# Altium PCB power_board.PcbDoc (part 1 of 2) (continued)
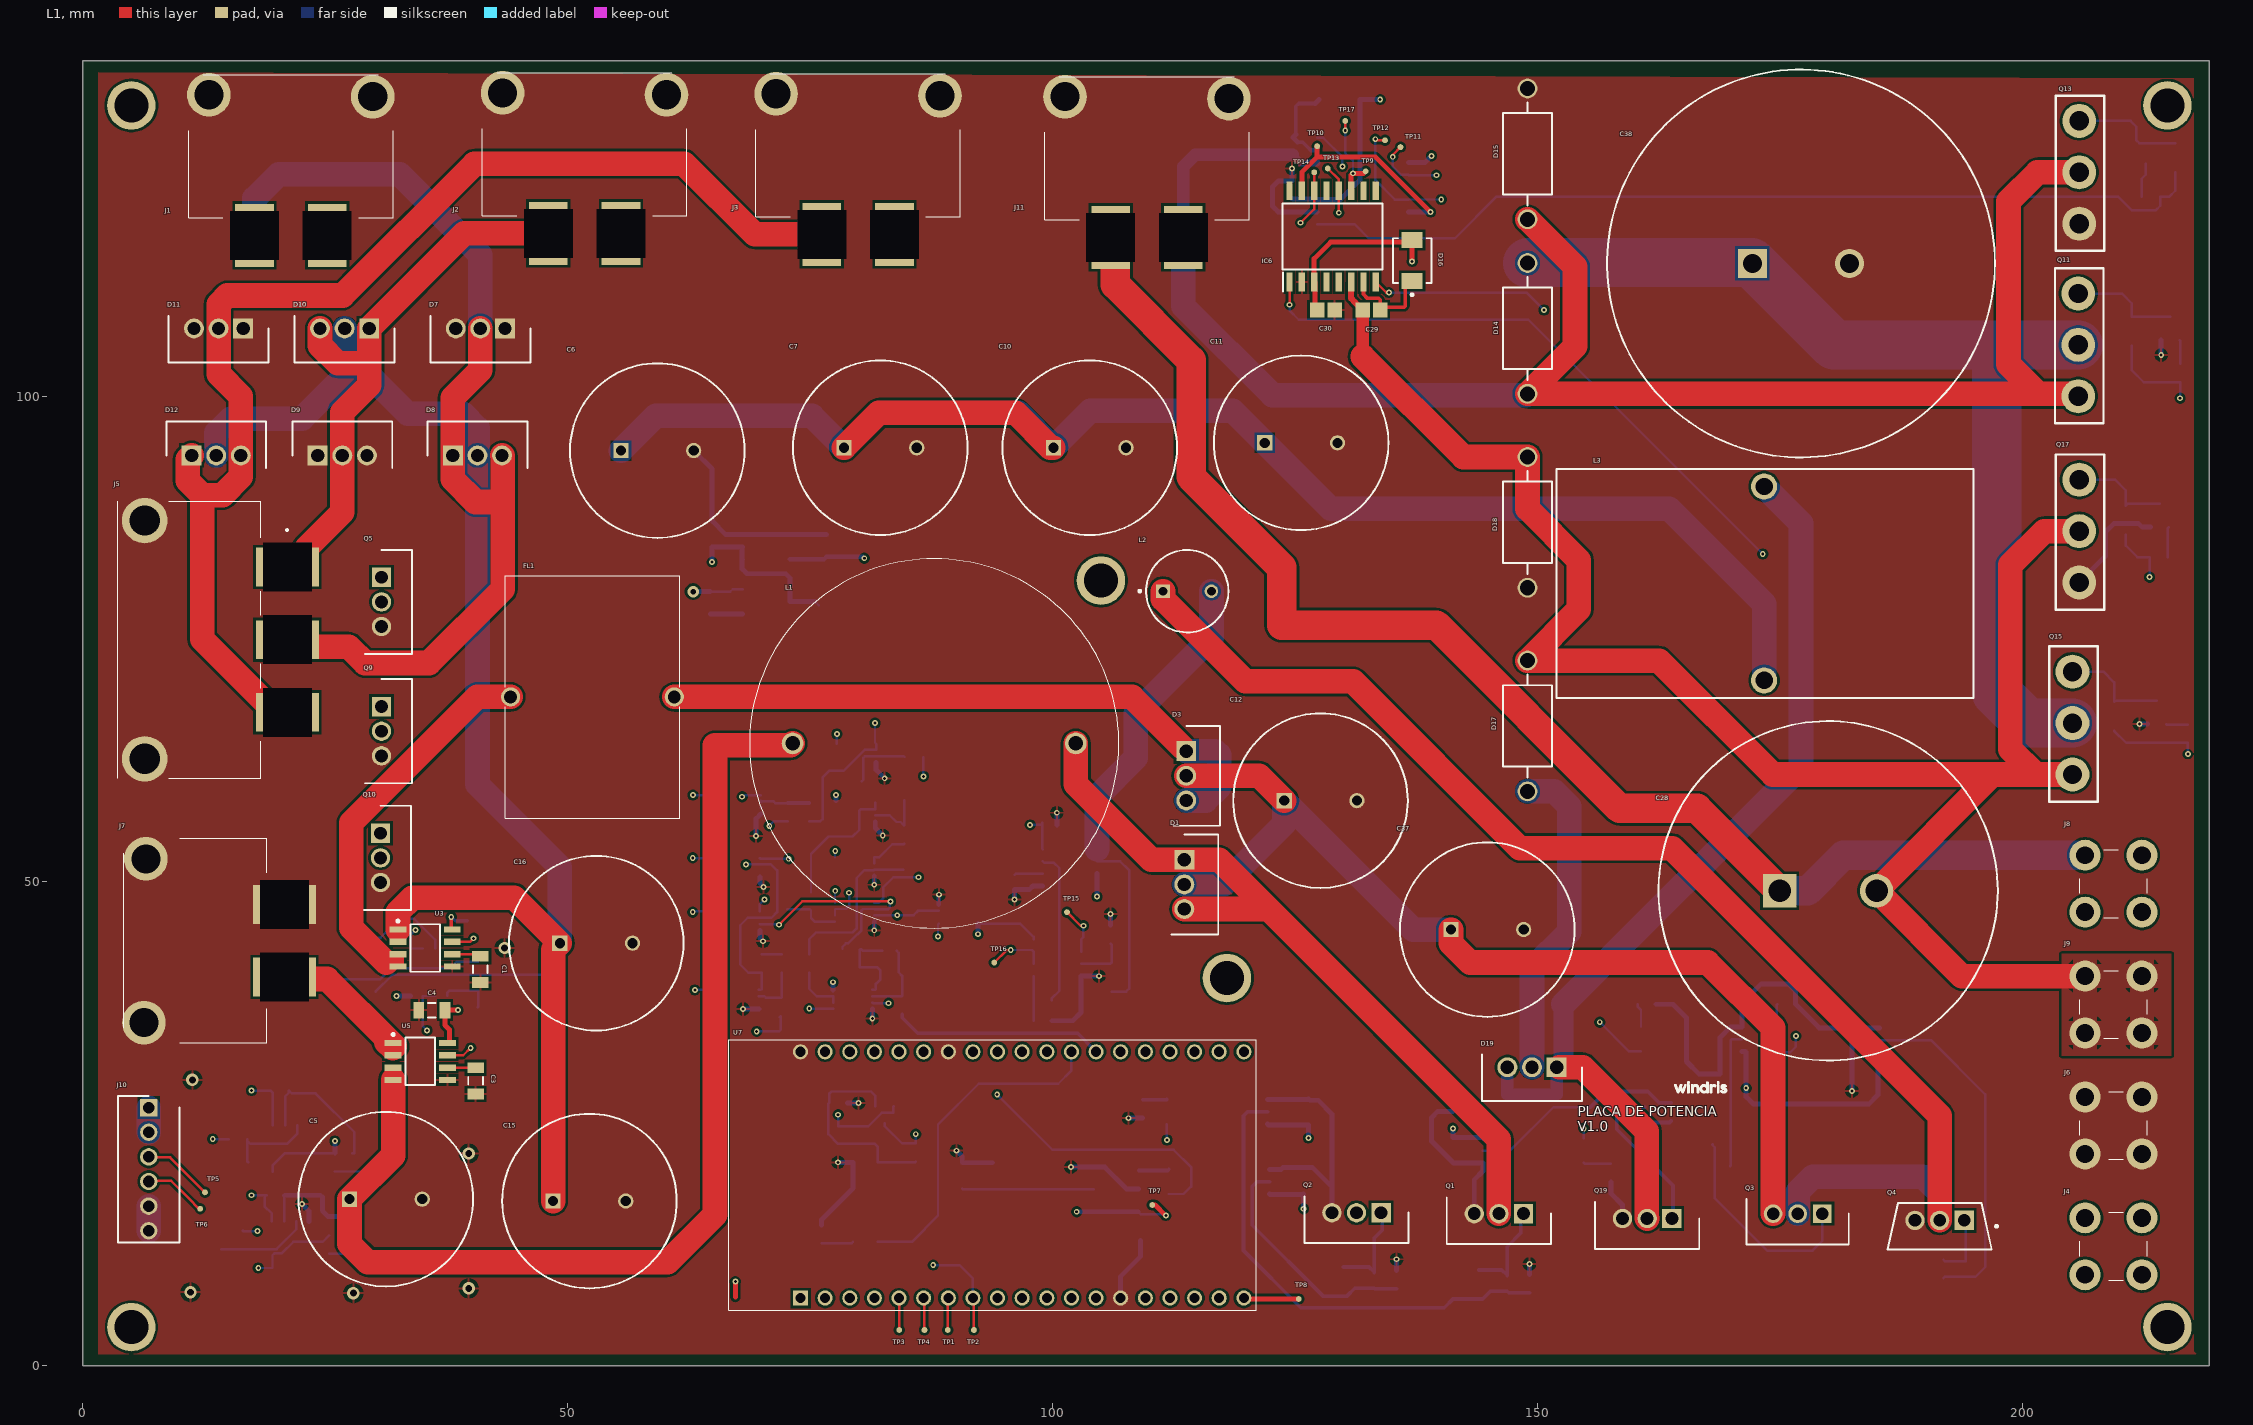
[diagram p0: L1 view]
## Part data (continued)
C24: library part CMP-1036-04761-2, Capacitance=7.5nF, Case Code (Imperial)=0805, Case Code (Metric)=2012, Dielectric=C0G, Manufacturer=Murata, Manufacturer Part Number=C0805C752FAGAC7210, Max Operating Temperature=125°C, Min Operating Temperature=-55°C, Package Quantity=10000, Part Number=GRM21BR71H105KA12L, Supplier Part Number 1=80-C0805C752FAG7210, Tolerance=1%, Voltage Rating (DC)=250V, Case/Package=0805, Category="Ceramic Capacitors", ComponentLink1Description=http://www.mouser.com/ds/2/212/KEM_C1003_C0G_SMD-356956.pdf?src-supplier=Mouser, ComponentLink1URL=http://www.mouser.com/ds/2/212/KEM_C1003_C0G_SMD-356956.pdf?src-supplier=Mouser, Length=2mm, Packaging="Tape and Reel", RoHS=Yes, RoHS Compliant=Yes, Supplier 1=Mouser, Termination=SMD/SMT, Weight=0.000194oz, Width=1.2mm
C25 C26 C29 C30: library part CMP-2007-03241-1, Capacitance=1uF, Case Code (Imperial)=0805, Case Code (Metric)=2012, Dielectric=Y5V, Dielectric Material=Ceramic, Manufacturer=Kemet, Manufacturer Part Number=C0805C105Z4VACTU, Max Operating Temperature=85°C, Min Operating Temperature=-30°C, Package Quantity=1, Supplier Part Number 1=399-8011-1-ND, Tolerance=80%, Voltage=16V, Case/Package=0805, Category="Ceramic Capacitors", ComponentLink1Description=https://datasheet.ciiva.com/6074/1698780-6074369.pdf?src-supplier=Farnell, ComponentLink1URL=https://datasheet.ciiva.com/6074/1698780-6074369.pdf?src-supplier=Farnell, ComponentLink2Description=https://datasheet.ciiva.com/16623/datasheetpn-c0805c105z4vac7800-16623623.pdf?src-supplier=Avnet+Europe, ComponentLink2URL=https://datasheet.ciiva.com/16623/datasheetpn-c0805c105z4vac7800-16623623.pdf?src-supplier=Avnet+Europe, ComponentLink3Description=https://datasheet.ciiva.com/14589/70095383-14589407.pdf?src-supplier=Allied+Electronics, ComponentLink3URL=https://datasheet.ciiva.com/14589/70095383-14589407.pdf?src-supplier=Allied+Electronics, ComponentLink4Description=https://datasheet.ciiva.com/7600/1698780-7600029.pdf?src-supplier=Newark, ComponentLink4URL=https://datasheet.ciiva.com/7600/1698780-7600029.pdf?src-supplier=Newark, ComponentLink5Description=https://datasheet.ciiva.com/14604/70095383-14604106.pdf?src-supplier=Allied+Electronics, ComponentLink5URL=https://datasheet.ciiva.com/14604/70095383-14604106.pdf?src-supplier=Allied+Electronics, Construction=Flat, Contact Material=Tin, Depth=1.25mm, Dissipation Factor=7%, Height=1.25mm, Lead Free="Lead Free", Lead Pitch=0.75mm, Length=2mm, Mount="Surface Mount,PCB", Number of Pins=2, Packaging="Tape and Reel", Part Number=C0805C105Z4VACTU, Pricing 1="1=0.11000, 10=0.08100, 50=0.04580, 100=0.03800, 500=0.02666, 1000=0.02207 (USD)", Radiation Hardening=No, REACH SVHC="No SVHC", RoHS=Yes, RoHS Compliant=Yes, Series=C, Stock 1=2421, Supplier 1=Digi-Key, Termination=SMD/SMT, Thickness=0.055inch, Voltage rating=16V, Voltage Rating (DC)=16V, Width=0.049inch
C27: library part CMP-1036-04761-2, Capacitance=3nF, Case Code (Imperial)=0805, Case Code (Metric)=2012, Dielectric=C0G, Dielectric Material=Ceramic, Manufacturer=KEMET, Manufacturer Part Number=C0805C302K3GACTU, Max Operating Temperature=125°C, Min Operating Temperature=-55°C, Package Quantity=4000, Supplier Part Number 1=32K4910, Tolerance=10%, Voltage rating=25V, Case/Package=0805, Category="Ceramic Capacitors", ComponentLink1Description=http://www.mouser.com/ds/2/212/KEM_C1003_C0G_SMD-1101588.pdf?src-supplier=Mouser, ComponentLink1URL=http://www.mouser.com/ds/2/212/KEM_C1003_C0G_SMD-1101588.pdf?src-supplier=Mouser, ComponentLink2Description=http://components.arrow.com/part/dataview/3397846S8614754N7429?src-supplier=Arrow+Electronics, ComponentLink2URL=http://components.arrow.com/part/dataview/3397846S8614754N7429?src-supplier=Arrow+Electronics, ComponentLink3Description=https://search.kemet.com/component-edge/download/datasheet/C0805C302K3GACTU.pdf?src-supplier=Digi-Key, ComponentLink3URL=https://search.kemet.com/component-edge/download/datasheet/C0805C302K3GACTU.pdf?src-supplier=Digi-Key, Depth=1.25mm, Height=0.9mm, Lead Free="Lead Free", Length=2mm, Mount="Surface Mount", Packaging="Tape and Reel", Pricing 1="4000=0.15300, 8000=0.14600, 16000=0.14100, 24000=0.13600 (USD)", RoHS=Yes, RoHS Compliant=Yes, Series=C, Supplier 1=Newark, Termination=SMD/SMT, Thickness=0.039inch, Voltage Rating (DC)=25V, Weight=0.000194oz, Width=1.25mm
C28: library part MAL225966471E3, "Capacitor Polarised", Manufacturer=Vishay, Mouser Part Number=594-MAL225966471E3, Category="Aluminum Electrolytic Capacitors", Datasheet Link=https://ms.componentsearchengine.com/Datasheets/2/MAL225966471E3.pdf, Height=37mm, Manufacturer Part Number=MAL225966471E3, Manufacturer_Name=Vishay, Manufacturer_Part_Number=MAL225966471E3, Mouser Price/Stock=https://www.mouser.co.uk/ProductDetail/Vishay-BC-Components/MAL225966471E3?qs=r5DSvlrkXmJ9zh5giZ1tYQ%3D%3D, Pricing 1="1=10.14000, 10=9.64000, 50=8.11000, 100=7.60000, 1000=6.33000, 10000=6.33000 (USD)", RoHS=Yes, RoHS Compliant=Yes, Stock 1=383, Supplier 1=Mouser, Supplier Part Number 1=594-MAL225966471E3
C31 C32 C33 C34: library part CMP-1036-04761-2, Manufacturer=Murata, Part Number=GRM21BR71H105KA12L
C35: library part CMP-2007-00247-2, "CAP CER 1000PF 10V 10% X7R 0805", Capacitance="1,000 pF", Case Code (Imperial)=0805, Case Code (Metric)=2012, Dielectric=X7R, Dielectric Material=Ceramic, Manufacturer=KEMET, Manufacturer Part Number=C0805C102K8RACTU, Max Operating Temperature=125°C, Min Operating Temperature=-55°C, Package=C0805C-DN, Package Quantity=1, Supplier Part Number 1=80-C0805C102K8R, Temperature="-55°C to +125°C", Temperature Coefficient=30ppm/°C, Temperature Range High=+125°C, Tolerance=0.1, Voltage rating="10 V", Voltage Rating (DC)=10V, Automotive=No, Case/Package=0805, Category=Cap, ComponentLink1Description=http://www.mouser.com/ds/2/212/KEM_C1002_X7R_SMD-1102033.pdf?src-supplier=Mouser, ComponentLink1URL=http://www.mouser.com/ds/2/212/KEM_C1002_X7R_SMD-1102033.pdf?src-supplier=Mouser, ComponentLink2Description=Datasheet, ComponentLink2URL=https://content.kemet.com/datasheets/KEM_C1003_C0G_SMD.pdf, ComponentLink3Description=https://search.kemet.com/component-edge/download/datasheet/C0805C102K8RACTU.pdf?src-supplier=Digi-Key, ComponentLink3URL=https://search.kemet.com/component-edge/download/datasheet/C0805C102K8RACTU.pdf?src-supplier=Digi-Key, ComponentLink4Description=https://api.kemet.com/component-edge/download/datasheet/C0805C102K8RACTU.pdf?src-supplier=Digi-Key, ComponentLink4URL=https://api.kemet.com/component-edge/download/datasheet/C0805C102K8RACTU.pdf?src-supplier=Digi-Key, ComponentLink5Description=http://capacitoredge.kemet.com/capedge2/DataSheet?pn=C0805C102K8RACTU&src-supplier=Avnet, ComponentLink5URL=http://capacitoredge.kemet.com/capedge2/DataSheet?pn=C0805C102K8RACTU&src-supplier=Avnet, ComponentLink6Description=http://www.farnell.com/datasheets/2627200.pdf?src-supplier=Newark, ComponentLink6URL=http://www.farnell.com/datasheets/2627200.pdf?src-supplier=Newark, Construction=Flat, Contact Plating=Tin,Matte, Device Class L1="Passive Components", Device Class L2=Capacitors, Device Class L3="Ceramic Capacitors", Digikey Description="CAP CER 1000PF 10V 10% X7R 0805", Height=0.88mm, Ipc Land Pattern Name=CAPC200125X78, Lead Free=Yes, Length=2mm, Material=Ceramic, Mount="Surface Mount", Mouser Description="Multilayer Ceramic Capacitors MLCC - SMD/SMT 10volts 1000pF X7R 10%", Octopart=https://octopart.com/c0805c102k8ractu-kemet-16783731, Packaging="Tape and Reel", Pricing 1="1=0.30000, 10=0.15600, 50=0.15600, 100=0.09300, 1000=0.07300, 10000=0.05100 (USD)", REACH SVHC="No SVHC", RoHS=TRUE, RoHS Compliant=Yes, Series=C, Stock 1=10223, Supplier 1=Mouser, Temperature Characteristic=X7R, Temperature Range Low=-55°C, Termination=SMD/SMT, Thickness=0.035inch, Width=0.049inch
C36: library part CMP-1036-03808-3, "CAP CER 10000PF 10V X7R 0805", Capacitance="10,000 pF", Case Code (Imperial)=0805, Case Code (Metric)=2012, Dielectric=X7R, Dielectric Material=Ceramic, Manufacturer=KEMET, Manufacturer Part Number=C0805C103K8RACTU, Max Operating Temperature=125°C, Min Operating Temperature=-55°C, Package=C0805C-DN, Package Quantity=4000, Supplier Part Number 1=80-C0805C103K8R, Temperature="-55°C to +125°C", Temperature Coefficient=30ppm/°C, Temperature Range High=+125°C, Tolerance=0.1, Voltage rating="10 V", Voltage Rating (DC)=10V, Automotive=No, Case/Package=0805, Category=Cap, ComponentLink1Description=https://datasheet.ciiva.com/5422/kem-c1002-x7r-smd-357932-5422870.pdf?src-supplier=Mouser, ComponentLink1URL=https://datasheet.ciiva.com/5422/kem-c1002-x7r-smd-357932-5422870.pdf?src-supplier=Mouser, ComponentLink2Description=Datasheet, ComponentLink2URL=https://content.kemet.com/datasheets/KEM_C1003_C0G_SMD.pdf, Depth=1.25mm, Device Class L1="Passive Components", Device Class L2=Capacitors, Device Class L3="Ceramic Capacitors", Digikey Description="CAP CER 10000PF 10V X7R 0805", Height=0.88mm, Ipc Land Pattern Name=CAPC200125X78, Lead Free=Yes, Lead Pitch=0.75mm, Length=2mm, Material=Ceramic, Mount="Surface Mount", Mouser Description="Multilayer Ceramic Capacitors MLCC - SMD/SMT 10volts 10000pF X7R 10%", Octopart=https://octopart.com/c0805c103k8ractu-kemet-12595572, Packaging="Tape and Reel", Pricing 1="1=0.18000, 10=0.07300, 50=0.07300, 100=0.06000, 1000=0.04500, 10000=0.04500 (USD)", RoHS=TRUE, RoHS Compliant=Yes, Series=C, Stock 1=7669, Supplier 1=Mouser, Temperature Characteristic=X7R, Temperature Range Low=-55°C, Termination=SMD/SMT, Thickness=0.035inch, Width=0.049inch
C38: library part ALC10A102EL450, "CAP ALUM 1000UF 20% 450V SNAP", Capacitance=1mF, Case/Package=Radial, Dielectric Material=Aluminium, ESR (Equivalent Series Resistance)=114mR, Leakage Current=2.7mA, Manufacturer=KEMET, Manufacturer_Name=Kemet, Max Operating Temperature=85°C, Min Operating Temperature=-40°C, Mouser Part Number=80-ALC10A102EL450, Package Quantity=36, Ripple Current=4.95A, Tolerance=20%, Voltage=450V, Arrow Part Number=ALC10A102EL450, Arrow Price/Stock=https://www.arrow.com/en/products/alc10a102el450/kemet-corporation, Category="Aluminum Electrolytic Capacitors", ComponentLink1Description=https://datasheet.ciiva.com/101/kem-a4020-alc10-101348.pdf?src-supplier=Digi-Key, ComponentLink1URL=https://datasheet.ciiva.com/101/kem-a4020-alc10-101348.pdf?src-supplier=Digi-Key, ComponentLink2Description=https://datasheet.ciiva.com/5368/kem-a4020-alc10-535355-5368389.pdf?src-supplier=Mouser, ComponentLink2URL=https://datasheet.ciiva.com/5368/kem-a4020-alc10-535355-5368389.pdf?src-supplier=Mouser, ComponentLink3Description=https://datasheet.ciiva.com/14588/70096552-14588427.pdf?src-supplier=Allied+Electronics, ComponentLink3URL=https://datasheet.ciiva.com/14588/70096552-14588427.pdf?src-supplier=Allied+Electronics, Datasheet Link=https://content.kemet.com/datasheets/KEM_A4020_ALC10.pdf, Diameter=40mm, Height=82mm, Height - Seated (Max)=3.228inch, Impedance=75mR, Lead Diameter=2mm, Lead Length=6.3mm, Lead Pitch=0.394inch, Length=80mm, Life (Hours)=18000Hour, Manufacturer Part Number=ALC10A102EL450, Manufacturer_Part_Number=ALC10A102EL450, Mount="Through Hole,PCB", Mouser Price/Stock=https://www.mouser.com/Search/Refine.aspx?Keyword=80-ALC10A102EL450, Packaging=Bulk, Polarity=Polar, Pricing 1="1=19.57000, 10=18.30000, 50=15.79000, 100=14.80000, 1000=13.12000, 10000=13.12000 (USD)", RoHS=Yes, RoHS Compliant=Yes, Series=ALC10, Stock 1=305, Supplier 1=Mouser, Supplier Part Number 1=80-ALC10A102EL450, Termination="Snap in", Voltage rating=450V, Voltage Rating (DC)=450V
D1 D3 D7 D8 D9 D10 D11 D12 D19: "Schottky Diode", Manufacturer=Rohm, Manufacturer_Name="ROHM Semiconductor", Supplier Part Number 1=755-RB228T150NZC9, Datasheet Link=https://fscdn.rohm.com/en/products/databook/datasheet/discrete/diode/schottky_barrier/rb228t150nz-e.pdf, Height=4.8mm, Manufacturer Part Number=RB228T150NZC9, Manufacturer_Part_Number=RB228T150NZC9, Pricing 1="1=1.74000, 10=1.48000, 50=1.48000, 100=1.14000, 1000=0.82400, 10000=0.78200 (USD)", RoHS=Yes, Supplier 1=Mouser
  D1 D3: Stock 1=962
  D7 D8 D9 D10 D11 D12 D19: Stock 1=982
D2 D4 D5 D6 D20: "Schottky Diodes & Rectifiers 20volts 1A SIZE 0805", Average Rectified Current=1A, Case Code (Imperial)=0805, Case Code (Metric)=2012, Forward Voltage=450mV, Manufacturer="Kyocera AVX", Manufacturer_Name=AVX, Max Forward Surge Current (Ifsm)=10A, Max Operating Temperature=125°C, Max Repetitive Reverse Voltage (Vrrm)=20V, Max Reverse Current=200uA, Min Operating Temperature=-55°C, Mouser Part Number=581-SD0805S020S1R0, Package Quantity=3000, Arrow Part Number=SD0805S020S1R0, Arrow Price/Stock=https://www.arrow.com/en/products/sd0805s020s1r0/avx, Case/Package=0805, Category="Rectifier Diodes", ComponentLink1Description=https://datasheet.ciiva.com/29883/schottky-29883740.pdf?src-supplier=Avnet, ComponentLink1URL=https://datasheet.ciiva.com/29883/schottky-29883740.pdf?src-supplier=Avnet, ComponentLink2Description=https://datasheet.ciiva.com/29883/schottky-29883741.pdf?src-supplier=Avnet, ComponentLink2URL=https://datasheet.ciiva.com/29883/schottky-29883741.pdf?src-supplier=Avnet, ComponentLink3Description=https://datasheet.ciiva.com/13084/schottky-221155-13084174.pdf?src-supplier=Mouser, ComponentLink3URL=https://datasheet.ciiva.com/13084/schottky-221155-13084174.pdf?src-supplier=Mouser, Datasheet Link=https://componentsearchengine.com/Datasheets/1/SD0805S020S1R0.pdf, Element Configuration=Single, Forward Current=1A, Height=1mm, Manufacturer Part Number=SD0805S020S1R0, Manufacturer_Part_Number=SD0805S020S1R0, Max Reverse Leakage Current=200uA, Max Reverse Voltage (DC)=20V, Max Surge Current=10A, Mount="Surface Mount", Mouser Price/Stock=https://www.mouser.co.uk/ProductDetail/AVX/SD0805S020S1R0/?qs=jCA%252BPfw4LHbpkAoSnwrdjw%3D%3D, Number of Pins=2, Packaging="Tape and Reel", Peak Non-Repetitive Surge Current=10A, Pricing 1="1=0.38000, 10=0.29100, 50=0.29100, 100=0.17800, 1000=0.11300, 10000=0.08700 (USD)", Radiation Hardening=No, REACH SVHC="No SVHC", RoHS=Yes, RoHS Compliant=Yes, Series=-, Stock 1=14821, Supplier 1=Mouser, Supplier Part Number 1=581-SD0805S020S1R0
D13 D16: library part CMP-12187-000023-1, "DIODE SCHOTTKY 60V 3A SMB", Average Rectified Current=3A, Case/Package=SMB, Forward Voltage=790mV, Manufacturer=STMicroelectronics, Max Forward Surge Current (Ifsm)=100A, Max Junction Temp=+150°C, Max Operating Temperature=150°C, Max Repetitive Reverse Voltage=60V, Max Reverse Current=150uA, Min Operating Temperature=-65°C, Package Quantity=1, Supplier Part Number 1=511-STPS3L60U, Temperature="to +150°C", Automotive=No, Category=Diode, ComponentLink1Description=https://datasheet.ciiva.com/14178/cd00002286-14178423.pdf?src-supplier=Distrelec, ComponentLink1URL=https://datasheet.ciiva.com/14178/cd00002286-14178423.pdf?src-supplier=Distrelec, ComponentLink2Description=Datasheet, ComponentLink2URL=https://www.st.com/resource/en/datasheet/stps3l60.pdf, ComponentLink3Description=https://datasheet.ciiva.com/26788/stps3l60u-26788715.pdf?src-supplier=IIIC, ComponentLink3URL=https://datasheet.ciiva.com/26788/stps3l60u-26788715.pdf?src-supplier=IIIC, ComponentLink4Description=https://datasheet.ciiva.com/916/cd00002286-916102.pdf?src-supplier=Digi-Key, ComponentLink4URL=https://datasheet.ciiva.com/916/cd00002286-916102.pdf?src-supplier=Digi-Key, ComponentLink5Description=https://datasheet.ciiva.com/916/cd00002286-916103.pdf?src-supplier=Digi-Key, ComponentLink5URL=https://datasheet.ciiva.com/916/cd00002286-916103.pdf?src-supplier=Digi-Key, ComponentLink6Description=https://datasheet.ciiva.com/916/cd00002286-916104.pdf?src-supplier=Digi-Key, ComponentLink6URL=https://datasheet.ciiva.com/916/cd00002286-916104.pdf?src-supplier=Digi-Key, ComponentLink7Description=https://datasheet.ciiva.com/16491/cd00002286-16491535.pdf?src-supplier=Future+Electronics, ComponentLink7URL=https://datasheet.ciiva.com/16491/cd00002286-16491535.pdf?src-supplier=Future+Electronics, ComponentLink8Description=https://datasheet.ciiva.com/7963/1671123-7963959.pdf?src-supplier=Element14, ComponentLink8URL=https://datasheet.ciiva.com/7963/1671123-7963959.pdf?src-supplier=Element14, ComponentLink9Description=https://datasheet.ciiva.com/7963/1671123-7963960.pdf?src-supplier=Element14, ComponentLink9URL=https://datasheet.ciiva.com/7963/1671123-7963960.pdf?src-supplier=Element14, ComponentLink10Description=https://datasheet.ciiva.com/14560/70014075-14560118.pdf?src-supplier=Allied+Electronics, ComponentLink10URL=https://datasheet.ciiva.com/14560/70014075-14560118.pdf?src-supplier=Allied+Electronics, Current Rating=3A, Device Class L1="Discrete Semiconductors", Device Class L2=Diodes, Device Class L3="Schottky Diodes", Digikey Description="DIODE SCHOTTKY 60V 3A SMB", Element Configuration=Single, Forward Current=3A, Height=2.65mm, Lead Free=Yes, Length=4.6mm, Manufacturer Part Number=STPS3L60U, Max Repetitive Reverse Voltage (Vrrm)=60V, Max Reverse Leakage Current=150uA, Max Reverse Voltage (DC)=60V, Max Surge Current=100A, Max Surge Forward Current=100A, Mount="Surface Mount", Mouser Description="Schottky diode Configuration: Single Housing type: DO-214AA=SMB Peak conducting-state current: 100 A", Number of Pins=2, Octopart=https://octopart.com/stps3l60u-stmicroelectronics-334329, Output Current=3A, Package=SMB, Packaging="Tape and Reel", Peak Non-Repetitive Surge Current=100A, Peak Reverse Current=150uA, Polarity=Standard, Pricing 1="1=0.43000, 10=0.33000, 50=0.33000, 100=0.20200, 1000=0.11900, 10000=0.10200 (USD)", Radiation Hardening=No, REACH SVHC="No SVHC", RoHS=TRUE, RoHS Compliant=Yes, Series=-, Standoff Height=0.05mm, Stock 1=8303, Supplier 1=Mouser, Temperature Range High=+150°C, Voltage Rating (DC)=60V, Width=3.95mm
D14 D15 D17 D18: library part CMP-0902-00056-1, "Fast Recovery Rectifier, 2-Pin Axial_Lead, Pb-Free, Tape and Reel", Average Rectified Current=3A, Case/Package=DO-201AD, Forward Voltage=1.25V, Manufacturer="On Semiconductor", Max Forward Surge Current (Ifsm)=100A, Max Operating Temperature=125°C, Max Repetitive Reverse Voltage (Vrrm)=100V, Max Reverse Current=10uA, Min Operating Temperature=-65°C, Package Quantity=1, Supplier Part Number 1=863-MR851RLG, Category="Rectifier Diodes", ComponentLink1Description="Manufacturer URL", ComponentLink1URL=http://www.onsemi.com/, ComponentLink2Description=Datasheet, ComponentLink2URL=http://www.onsemi.com/pub_link/Collateral/MR850-D.PDF, ComponentLink3Description="Package Specification", ComponentLink3URL=http://www.onsemi.com/pub_link/Collateral/267-05.PDF, ComponentLink4Description=https://datasheet.ciiva.com/30479/0900766b812212e7-30479531.pdf?src-supplier=RSComponents, ComponentLink4URL=https://datasheet.ciiva.com/30479/0900766b812212e7-30479531.pdf?src-supplier=RSComponents, ComponentLink5Description=https://datasheet.ciiva.com/7963/92108-7963073.pdf?src-supplier=Element14, ComponentLink5URL=https://datasheet.ciiva.com/7963/92108-7963073.pdf?src-supplier=Element14, ComponentLink6Description=https://datasheet.ciiva.com/923/mr850-d-923098.pdf?src-supplier=Digi-Key, ComponentLink6URL=https://datasheet.ciiva.com/923/mr850-d-923098.pdf?src-supplier=Digi-Key, ComponentLink7Description=https://datasheet.ciiva.com/923/mr850-d-923099.pdf?src-supplier=Digi-Key, ComponentLink7URL=https://datasheet.ciiva.com/923/mr850-d-923099.pdf?src-supplier=Digi-Key, Contact Plating=Tin,Matte, Current Rating=3A, DatasheetVersion="Rev. 6", Diameter=5.3mm, Element Configuration=Single, Forward Current=3A, Halogen Free="Halogen Free", Height=9.5mm, IFSM Max (A)=100, IO(rec) Max (A)=3, Lead Free="Lead Free", Length=0.374inch, Manufacturer Part Number=MR851RLG, Max Reverse Voltage (DC)=100V, Max Surge Current=100A, Mounting Technology="Through Hole", Number of Pins=2, Output Current=3A, PackageDescription="2-Pin, Axial Lead, Diameter 5.05 mm", PackageReference=AXIAL_LEAD-2-267-05, PackageVersion="Rev. G, 06/2000", Packaging="Tape and Reel", Packing="Tape and Reel", PartNumber=MR851RLG, Peak Non-Repetitive Surge Current=100A, Polarity=Standard, Pricing 1="1=0.49000, 10=0.34400, 50=0.34400, 100=0.17400, 1000=0.15400, 10000=0.09200 (USD)", Radiation Hardening=No, REACH SVHC="No SVHC", Recovery Time=300ns, Reverse Recovery Time=300ns, Reverse Recovery Time-Max=300ns, Reverse Voltage=100V, RoHS=TRUE, Series=-, Stock 1=3652, Supplier 1=Mouser, Type="Fast Recovery", Voltage Rating (DC)=100V, VRRM Max (V)=100, Weight=0.01lb, Width=1inch
FL1: "Fixed Inductors DENO Grnd wire choke 16A", Case/Package=Radial, Current Rating=16A, DC Resistance (DCR)=27mR, Inductance=4mH, Manufacturer=Schurter, Manufacturer_Name=SCHURTER, Max Operating Temperature=100°C, Min Operating Temperature=-25°C, Mouser Part Number=693-DENO-25-0001, Package Quantity=50, Self Resonant Frequency=300kHz, Arrow Part Number=DENO-25-0001, Arrow Price/Stock=https://www.arrow.com/en/products/deno-25-0001/schurter, Category="Fixed Inductors", ComponentLink1Description=https://datasheet.ciiva.com/25456/1832736-25456284.pdf?src-supplier=Newark, ComponentLink1URL=https://datasheet.ciiva.com/25456/1832736-25456284.pdf?src-supplier=Newark, ComponentLink2Description=https://datasheet.ciiva.com/17249/typ-deno-17249423.pdf?src-supplier=Avnet+Europe, ComponentLink2URL=https://datasheet.ciiva.com/17249/typ-deno-17249423.pdf?src-supplier=Avnet+Europe, ComponentLink3Description=https://datasheet.ciiva.com/6708/typ-deno-6708408.pdf?src-supplier=Digi-Key, ComponentLink3URL=https://datasheet.ciiva.com/6708/typ-deno-6708408.pdf?src-supplier=Digi-Key, Datasheet Link=https://www.mouser.com/datasheet/2/358/typ_DENO-1276019.pdf, DC Current=16A, Depth=18mm, Diameter=25mm, Height=25mm, Lead Diameter=1.12mm, Lead Free="Lead Free", Lead/Base Style=Radial, Length=0.984inch, Manufacturer Part Number=DENO-25-0001, Manufacturer_Part_Number=DENO-25-0001, Max Current Rating=16A, Max DC Current=16A, Military Standard=Not, Mount="Through Hole,Radial", Mouser Price/Stock=https://www.mouser.co.uk/ProductDetail/Schurter/DENO-25-0001?qs=A5k8bsa1loDfpdVSyZOXZg%3D%3D, Number of Lines=1, Packaging=Bulk, Pricing 1="1=4.79000, 10=4.25000, 50=3.83000, 100=3.62000, 1000=2.98000, 10000=2.87000 (USD)", Radiation Hardening=No, RoHS=Yes, RoHS Compliant=Yes, Series=DENO, Shielding=Unshielded, Stock 1=326, Supplier 1=Mouser, Supplier Part Number 1=693-DENO-25-0001, Termination=Radial, Weight=0.83952oz, Width=0.709inch
IC1 IC2 IC3 IC4 IC7: "Integrated Circuit", Manufacturer=Toshiba, Manufacturer Part Number=TLP5754H(D4TP4,E, Mouser Part Number=757-TLP5754HD4TP4E, Datasheet Link=https://toshiba.semicon-storage.com/, Height=2.3mm, Manufacturer_Name=Toshiba, Manufacturer_Part_Number=TLP5754H(D4TP4,E, Mouser Price/Stock=https://www.mouser.co.uk/ProductDetail/Toshiba/TLP5754HD4TP4E?qs=BJlw7L4Cy78tX5u9MwNqOg%3D%3D, Pricing 1="1=2.13000, 10=1.86000, 50=1.83000, 100=1.09000, 1000=0.95600, 10000=0.73200 (USD)", RoHS=Yes, Stock 1=2749, Supplier 1=Mouser, Supplier Part Number 1=757-TLP5754HD4TP4E
IC5 IC6: "MOSFET Driver 500 Volt 2.5A 2 Output Hi/Lo Side Non Input Volt 16-Pin SOIC W", Case/Package=SOIC, Manufacturer="International Rectifier", Manufacturer_Name=Infineon, Max Operating Temperature=125°C, Max Output Current=2.5A, Max Output Voltage=20V, Max Power Dissipation=1.25W, Max Supply Current=340uA, Min Operating Temperature=-40°C, Min Output Voltage=10V, Mouser Part Number=942-IR2110STRPBF, Output Voltage=520V, Package Quantity=1000, Arrow Part Number=IR2110STRPBF, Arrow Price/Stock=https://www.arrow.com/en/products/ir2110strpbf/infineon-technologies-ag, Category="Gate Drivers", ComponentLink1Description=https://datasheet.ciiva.com/1952/ir2110-1952809.pdf?src-supplier=Digi-Key, ComponentLink1URL=https://datasheet.ciiva.com/1952/ir2110-1952809.pdf?src-supplier=Digi-Key, ComponentLink2Description=https://datasheet.ciiva.com/1952/ir2110-1952810.pdf?src-supplier=Digi-Key, ComponentLink2URL=https://datasheet.ciiva.com/1952/ir2110-1952810.pdf?src-supplier=Digi-Key, ComponentLink3Description=https://datasheet.ciiva.com/1952/ir2110-1952811.pdf?src-supplier=Digi-Key, ComponentLink3URL=https://datasheet.ciiva.com/1952/ir2110-1952811.pdf?src-supplier=Digi-Key, ComponentLink4Description=https://datasheet.ciiva.com/3226/ir2110-3226294.pdf?src-supplier=Avnet, ComponentLink4URL=https://datasheet.ciiva.com/3226/ir2110-3226294.pdf?src-supplier=Avnet, ComponentLink5Description=https://datasheet.ciiva.com/16298/ir2110-16298071.pdf?src-supplier=Future+Electronics, ComponentLink5URL=https://datasheet.ciiva.com/16298/ir2110-16298071.pdf?src-supplier=Future+Electronics, ComponentLink6Description=https://datasheet.ciiva.com/1499/81026-1499491.pdf?src-supplier=Element14, ComponentLink6URL=https://datasheet.ciiva.com/1499/81026-1499491.pdf?src-supplier=Element14, ComponentLink7Description=https://datasheet.ciiva.com/28366/81026-28366141.pdf?src-supplier=Element14, ComponentLink7URL=https://datasheet.ciiva.com/28366/81026-28366141.pdf?src-supplier=Element14, ComponentLink8Description=https://datasheet.ciiva.com/22694/81026-22694331.pdf?src-supplier=Element14, ComponentLink8URL=https://datasheet.ciiva.com/22694/81026-22694331.pdf?src-supplier=Element14, Datasheet Link=https://www.infineon.com/dgdl/Infineon-IR2110-DataSheet-v01_00-EN.pdf?fileId=5546d462533600a4015355c80333167e, Fall Time=25ns, Height=2.65mm, Lead Free="Lead Free", Length=10.5mm, Manufacturer Part Number=IR2110STRPBF, Manufacturer_Part_Number=IR2110STRPBF, Max Supply Voltage=20V, Min Supply Voltage=10V, Mount="Surface Mount", Mouser Price/Stock=https://www.mouser.co.uk/ProductDetail/Infineon-IR/IR2110STRPBF?qs=2r01AXMCG3P4pNuJUqFzxg%3D%3D, Nominal Supply Current=340uA, Number of Drivers=2, Number of Outputs=2, Number of Pins=16, Output Current=2.5A, Packaging="Tape and Reel", Power Dissipation=1.25W, Pricing 1="1=2.60000, 10=2.20000, 50=2.20000, 100=1.54000, 1000=1.18000, 10000=1.18000 (USD)", Propagation Delay=150ns, Radiation Hardening=No, REACH SVHC="No SVHC", Rise Time=35ns, RoHS=Yes, Series=-, Supplier 1=Mouser, Supplier Part Number 1=942-IR2110STRPBF, Termination=SMD/SMT, Turn-Off Delay Time=94ns, Turn-On Delay Time=10ns, Width=7.6mm
J1 J2 J3 J7 J11: "CONN HDR 2POS 7.50MM R/A SLDR", Color=Black, Current Rating=30A, Manufacturer=Molex, Manufacturer Part Number=1720430202, Max Operating Temperature=125°C, Min Operating Temperature=-40°C, Mouser Part Number=538-172043-0202, Voltage rating=600V, Category="Cables and Wire", ComponentLink1Description=https://www.mouser.com/ds/2/276/1720430202_PCB_HEADERS-704499.pdf?src-supplier=Mouser, ComponentLink1URL=https://www.mouser.com/ds/2/276/1720430202_PCB_HEADERS-704499.pdf?src-supplier=Mouser, ComponentLink2Description=http://www.molex.com/pdm_docs/sd/1720430202_sd.pdf?src-supplier=Avnet, ComponentLink2URL=http://www.molex.com/pdm_docs/sd/1720430202_sd.pdf?src-supplier=Avnet, ComponentLink3Description=http://www.literature.molex.com/SQLImages/kelmscott/Molex/PDF_Images/987650-1349.PDF?src-supplier=Digi-Key, ComponentLink3URL=http://www.literature.molex.com/SQLImages/kelmscott/Molex/PDF_Images/987650-1349.PDF?src-supplier=Digi-Key, ComponentLink4Description=http://www.molex.com/pdm_docs/sd/1720430202_sd.pdf?src-supplier=Digi-Key, ComponentLink4URL=http://www.molex.com/pdm_docs/sd/1720430202_sd.pdf?src-supplier=Digi-Key, Contact Material=Copper, Contact Plating=Silver, Datasheet Link=https://www.molex.com/pdm_docs/sd/1720430202_sd.pdf, Fastening Type=Ramp, Height=11.68mm, Insulation Material=Polymer, Manufacturer_Name=Molex, Manufacturer_Part_Number=172043-0202, Mount="Through Hole", Mouser Price/Stock=https://www.mouser.co.uk/ProductDetail/Molex/172043-0202?qs=AUG1J5sL7zJwcA2Oseq0RA%3D%3D, Number of Circuits=2, Number of Pins=2, Number of Positions=2, Number of Rows=1, Orientation="Right Angle", Packaging=Tray, Pitch=0.295inch, Pricing 1="1=2.21000, 10=1.89000, 50=1.89000, 100=1.56000, 1000=1.22000, 10000=1.08000 (USD)", RoHS=Yes, RoHS Compliant=Yes, Stock 1=939, Supplier 1=Mouser, Supplier Part Number 1=538-172043-0202, Termination=Solder
J4 J6 J8 J9: "SHANK, THR", Current Rating=50A, Manufacturer="Wurth Electronics", Manufacturer_Name="Wurth Elektronik", Mouser Part Number=710-74651174R, Category=Terminals, ComponentLink1Description=http://katalog.we-online.de/em/datasheet/74651174R.pdf?src-supplier=Digi-Key, ComponentLink1URL=http://katalog.we-online.de/em/datasheet/74651174R.pdf?src-supplier=Digi-Key, ComponentLink2Description=https://katalog.we-online.de/em/datasheet/74651174R.pdf?src-supplier=Digi-Key, ComponentLink2URL=https://katalog.we-online.de/em/datasheet/74651174R.pdf?src-supplier=Digi-Key, Contact Material=Brass, Contact Plating=Tin, Datasheet Link=https://componentsearchengine.com/Datasheets/1/74651174R.pdf, Height=11mm, Manufacturer Part Number=74651174R, Manufacturer_Part_Number=74651174R, Mount="Through Hole", Mouser Price/Stock=https://www.mouser.co.uk/ProductDetail/Wurth-Elektronik/74651174R?qs=lBTPRtX1sU9uJ5vjuYZPZA%3D%3D, Number of Pins=4, Pricing 1="1=3.26000, 10=3.02000, 50=2.71000, 100=2.45000, 1000=2.06000, 10000=2.06000 (USD)", RoHS=Yes, RoHS Compliant=Yes, Stock 1=997, Supplier 1=Mouser, Supplier Part Number 1=710-74651174R, Termination=Solder
J5: "Conn Power HDR 3 POS 7.49mm Solder RA Thru-Hole 3 Terminal 1 Port Super Sabre™ Frame", Color=Black, Current Rating=30A, Manufacturer=Molex, Manufacturer Part Number=1720430302, Max Operating Temperature=125°C, Min Operating Temperature=-40°C, Supplier Part Number 1=538-172043-0302, Voltage rating=600V, Category="Headers and Wire Housings", ComponentLink1Description=http://www.molex.com/pdm_docs/sd/1720430202_sd.pdf?src-supplier=Avnet, ComponentLink1URL=http://www.molex.com/pdm_docs/sd/1720430202_sd.pdf?src-supplier=Avnet, ComponentLink2Description=http://www.molex.com/pdm_docs/sd/1720430302_sd.pdf?src-supplier=Digi-Key, ComponentLink2URL=http://www.molex.com/pdm_docs/sd/1720430302_sd.pdf?src-supplier=Digi-Key, ComponentLink3Description=https://www.molex.com/pdm_docs/sd/1720430302_sd.pdf?src-supplier=Digi-Key, ComponentLink3URL=https://www.molex.com/pdm_docs/sd/1720430302_sd.pdf?src-supplier=Digi-Key, ComponentLink4Description=https://www.mouser.com/ds/2/276/1720430202_PCB_HEADERS-704499.pdf?src-supplier=Mouser, ComponentLink4URL=https://www.mouser.com/ds/2/276/1720430202_PCB_HEADERS-704499.pdf?src-supplier=Mouser, ComponentLink5Description=http://www.literature.molex.com/SQLImages/kelmscott/Molex/PDF_Images/987650-1349.PDF?src-supplier=Digi-Key, ComponentLink5URL=http://www.literature.molex.com/SQLImages/kelmscott/Molex/PDF_Images/987650-1349.PDF?src-supplier=Digi-Key, ComponentLink6Description=http://www.molex.com/pdm_docs/sd/1720430202_sd.pdf?src-supplier=Digi-Key, ComponentLink6URL=http://www.molex.com/pdm_docs/sd/1720430202_sd.pdf?src-supplier=Digi-Key, Contact Material=Copper, Contact Plating=Silver, Datasheet Link=https://www.molex.com/pdm_docs/sd/1720430401_sd.pdf, Fastening Type=Ramp, Glow Wire Compliant=Compliant, Halogen Free="Low Halogen", Height=11.53mm, Insulation Material=Polymer, Manufacturer_Name=Molex, Manufacturer_Part_Number=172043-0302, Mount="Through Hole", Number of Circuits=3, Number of Pins=3, Number of Positions=3, Number of Rows=1, Orientation="Right Angle", Packaging=Tray, Pitch=0.295inch, Pricing 1="1=4.13000, 10=3.64000, 50=3.64000, 100=2.90000, 1000=2.39000, 10000=2.23000 (USD)", RoHS=Yes, RoHS Compliant=Yes, Stock 1=770, Supplier 1=Mouser, Termination=Solder
J10: "Conn Wire to Board HDR 6 POS 2.54mm Solder ST Thru-Hole KK® Bag", Color=Black, Current Rating=4A, Flammability Rating="UL94 V-2", Manufacturer=Molex, Max Operating Temperature=105°C, Min Operating Temperature=-40°C, Mouser Part Number=538-171856-0006, Package Quantity=2000, Voltage rating=250V, Category="Headers and Wire Housings", ComponentLink1Description=https://datasheet.ciiva.com/24135/1718560006-pcb-headers-295618-24135976.pdf?src-supplier=Mouser, ComponentLink1URL=https://datasheet.ciiva.com/24135/1718560006-pcb-headers-295618-24135976.pdf?src-supplier=Mouser, ComponentLink2Description=https://datasheet.ciiva.com/30069/162461718560006-pcb-headers-30069863.pdf?src-supplier=Onlinecomponents.com, ComponentLink2URL=https://datasheet.ciiva.com/30069/162461718560006-pcb-headers-30069863.pdf?src-supplier=Onlinecomponents.com, ComponentLink3Description=https://datasheet.ciiva.com/28500/1769843-28500365.pdf?src-supplier=Element14, ComponentLink3URL=https://datasheet.ciiva.com/28500/1769843-28500365.pdf?src-supplier=Element14, ComponentLink4Description=https://datasheet.ciiva.com/30492/0900766b8129e59b-30492739.pdf?src-supplier=RSComponents, ComponentLink4URL=https://datasheet.ciiva.com/30492/0900766b8129e59b-30492739.pdf?src-supplier=RSComponents, ComponentLink5Description=https://datasheet.ciiva.com/29948/1718560002-sd-29948527.pdf?src-supplier=Avnet, ComponentLink5URL=https://datasheet.ciiva.com/29948/1718560002-sd-29948527.pdf?src-supplier=Avnet, ComponentLink6Description=https://datasheet.ciiva.com/30514/70314281-30514598.pdf?src-supplier=Allied+Electronics, ComponentLink6URL=https://datasheet.ciiva.com/30514/70314281-30514598.pdf?src-supplier=Allied+Electronics, Connector Type="Male Pin", Contact Gender=Male, Contact Material=Brass,Tin, Contact Mating Length=0.293inch, Contact Plating=Tin,Matte, Contact Post Length=2.34mm, Datasheet Link=https://www.molex.com/pdm_docs/sd/1718560006_sd.pdf, Depth=6.35mm, Fastening Type=Friction, Gender=Male, Glow Wire Compliant=Compliant, Halogen Free="Low Halogen", Height=11mm, Housing Color=Black, Housing Material=Nylon, Length=15.09mm, Manufacturer Part Number=171856-0006, Manufacturer_Name=Molex, Manufacturer_Part_Number=171856-0006, Mount="Through Hole", Mouser Price/Stock=https://www.mouser.co.uk/ProductDetail/Molex/171856-0006?qs=s7UCm7gO1bZ%2FF4kPA9T7bA%3D%3D, Number of Circuits=6, Number of Contacts=6, Number of Positions=6, Number of Rows=1, Orientation=Vertical, Packaging=Bulk, Pitch=2.54mm, Pricing 1="1=0.52000, 10=0.44100, 50=0.44100, 100=0.34400, 1000=0.27000, 10000=0.22000 (USD)", Radiation Hardening=No, REACH SVHC=Unknown, RoHS=Yes, RoHS Compliant=Yes, Stock 1=7773, Supplier 1=Mouser, Supplier Part Number 1=538-171856-0006, Termination=Solder, Weight=0.023916oz
L1: library part 1140-221K-RC, "BOURNS JW MILLER         1140-221K-RC             HIGH CURRENT CHOKE, 220UH 11.4A 10%", Case/Package=Radial, Current Rating=7.4A, DC Current=11.4A, DC Resistance (DCR)=50mR, Inductance Tolerance=10%, Manufacturer="Bourns JW Miller", Manufacturer_Name=Bourns, Max Operating Temperature=105°C, Min Operating Temperature=-55°C, Mouser Part Number=542-1140-221K-RC, Package Quantity=70, Resistor Type=Wirewound, Saturation Current=14A, Test Frequency=1kHz, Arrow Part Number=1140-221K-RC, Arrow Price/Stock=https://www.arrow.com/en/products/1140-221k-rc/bourns, Category="Fixed Inductors", ComponentLink1Description=https://datasheet.ciiva.com/13283/1140-series-61680-13283934.pdf?src-supplier=Mouser, ComponentLink1URL=https://datasheet.ciiva.com/13283/1140-series-61680-13283934.pdf?src-supplier=Mouser, ComponentLink2Description=https://datasheet.ciiva.com/5839/1140-series-5839095.pdf?src-supplier=Farnell, ComponentLink2URL=https://datasheet.ciiva.com/5839/1140-series-5839095.pdf?src-supplier=Farnell, ComponentLink3Description=https://datasheet.ciiva.com/6690/1140-series-6690681.pdf?src-supplier=Digi-Key, ComponentLink3URL=https://datasheet.ciiva.com/6690/1140-series-6690681.pdf?src-supplier=Digi-Key, ComponentLink4Description=https://datasheet.ciiva.com/30231/8931140-series-30231343.pdf?src-supplier=Onlinecomponents.com, ComponentLink4URL=https://datasheet.ciiva.com/30231/8931140-series-30231343.pdf?src-supplier=Onlinecomponents.com, ComponentLink5Description=https://datasheet.ciiva.com/1474/1140-series-1474528.pdf?src-supplier=Element14, ComponentLink5URL=https://datasheet.ciiva.com/1474/1140-series-1474528.pdf?src-supplier=Element14, Contact Plating=Tin, Core Material=Ferrite, Datasheet Link=https://www.mouser.com/datasheet/2/54/1140_series-776825.pdf, Diameter=1.5inch, Height=26.162mm, Height - Seated (Max)=1.03inch, Inductance=220uH, Lead Diameter=0.057inch, Lead Free="Lead Free", Lead Length=12.7mm, Lead Pitch=29.21mm, Lead/Base Style=Radial, Length=1.03inch, Manufacturer Part Number=1140-221K-RC, Manufacturer_Part_Number=1140-221K-RC, Max DC Current=11.4A, Military Standard=Not, Mount="Through Hole", Mouser Price/Stock=https://www.mouser.co.uk/ProductDetail/Bourns/1140-221K-RC?qs=Pac2tMOelJAp1Q7rw4D2Wg%3D%3D, Packaging=Bulk, Pricing 1="1=8.31000, 10=7.34000, 50=6.41000, 100=6.21000, 1000=5.66000, 10000=5.66000 (USD)", REACH SVHC="No SVHC", RMS Current (Irms)=7.4A, RoHS=Yes, Series=1140, Shielding=Unshielded, Stock 1=476, Supplier 1=Mouser, Supplier Part Number 1=542-1140-221K-RC, Termination=Radial, Tolerance=10%